# Altium PCB AlpLogo.PcbDoc (continued)
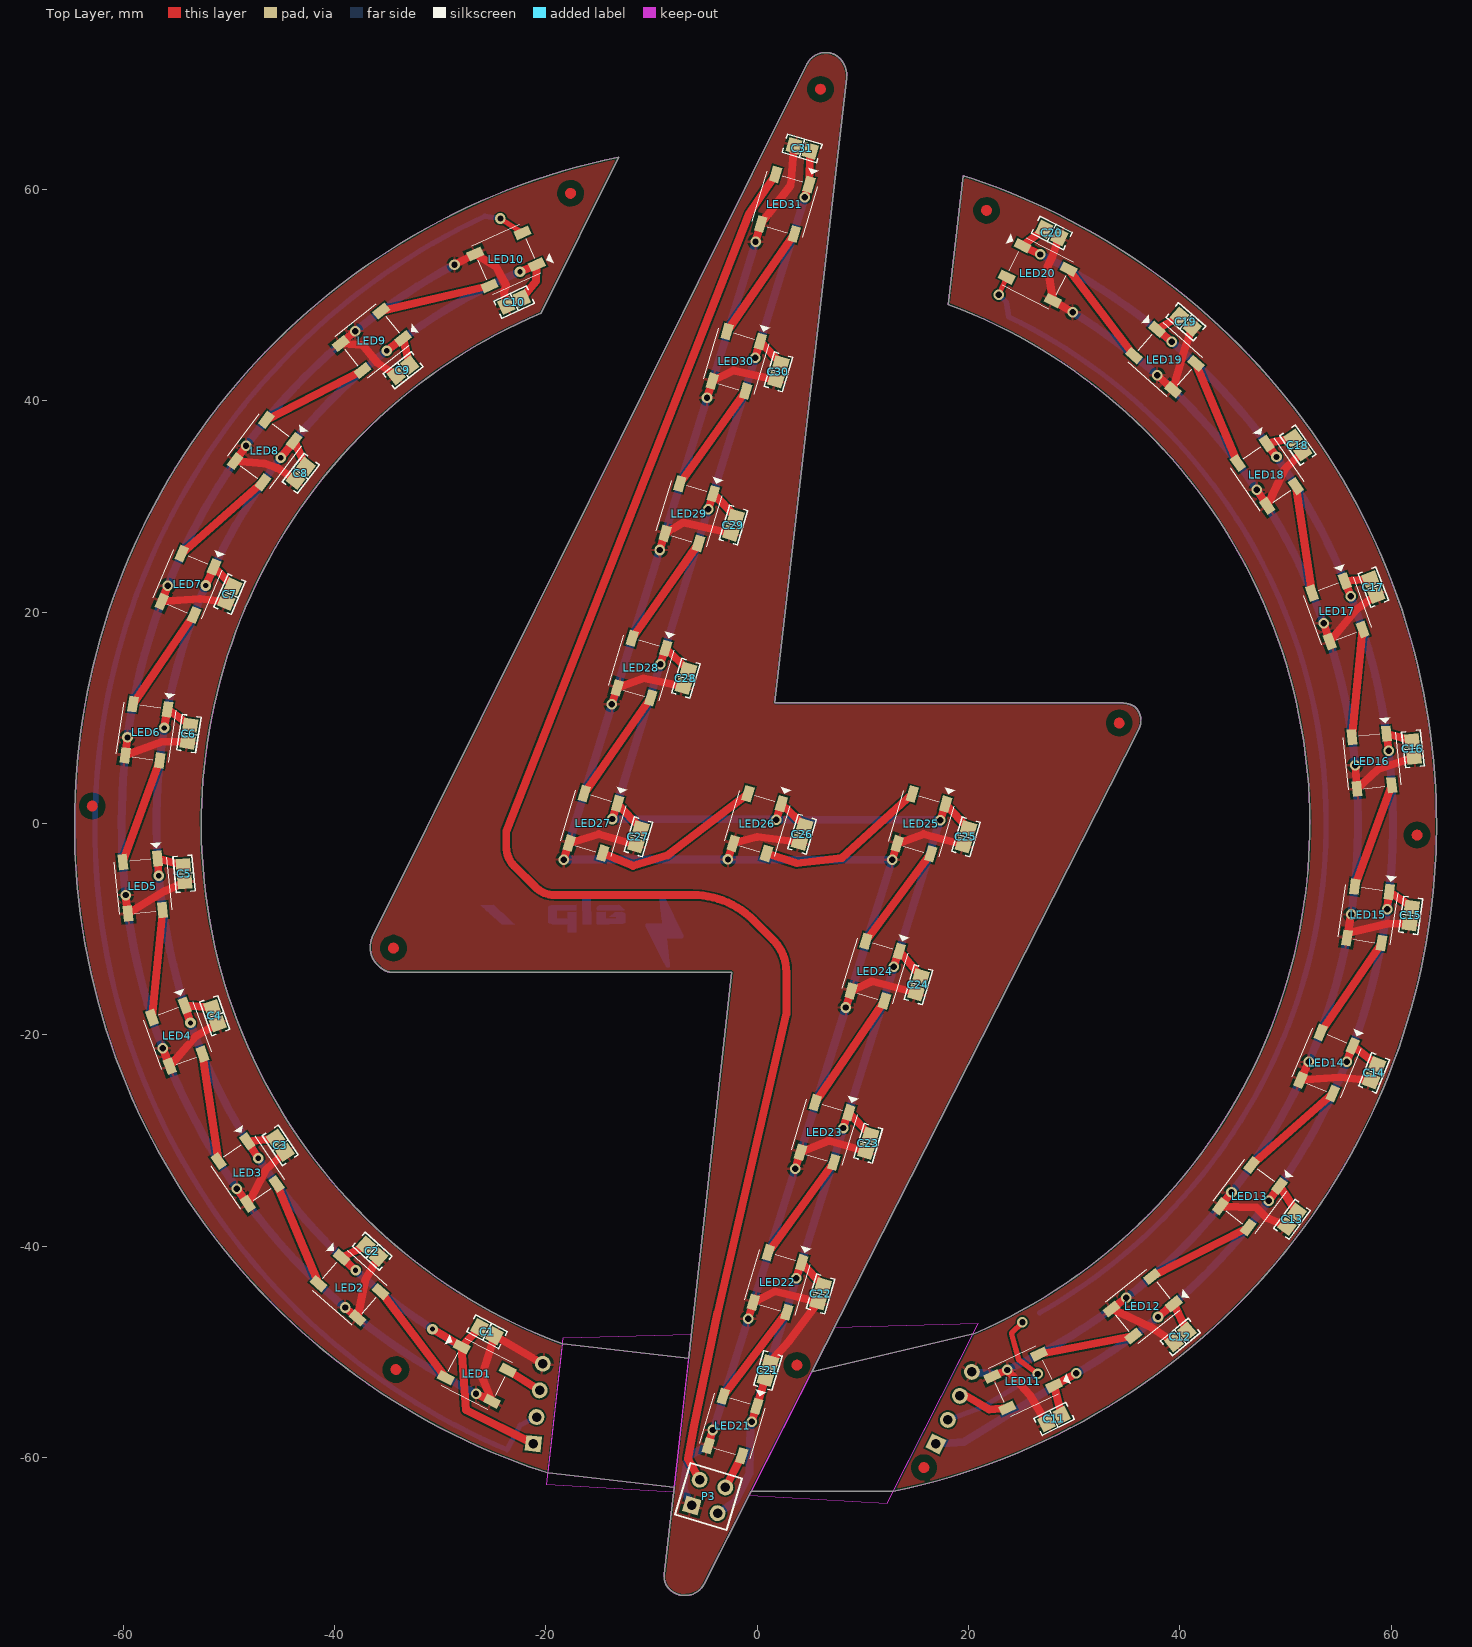
[diagram p0: Top Layer view]
## Keep-outs
Keep-Out Layer:
  lines w0.013: -8.266,-72.486 ccw(c-6.97,-71.099) -8.24,-72.511 ccw(c-6.957,-71.084) -8.213,-72.534 ccw(c-6.944,-71.069) -8.186,-72.557 ccw(c-6.931,-71.054) -8.159,-72.579 -8.133,-72.6 -8.106,-72.621 -8.079,-72.641 -8.053,-72.659 -8.026,-72.678 -7.999,-72.696 -7.972,-72.713 -7.946,-72.729 -7.92,-72.745 -7.893,-72.761 -7.868,-72.775 -7.842,-72.789 -7.816,-72.803 -7.79,-72.816 -7.765,-72.829 -7.739,-72.841 -7.714,-72.853 -7.689,-72.865 -7.663,-72.876 -7.639,-72.886 -7.614,-72.897 -7.589,-72.907 -7.564,-72.916 -7.54,-72.925 -7.515,-72.935 -7.49,-72.943 -7.466,-72.952 -7.442,-72.96 -7.417,-72.967 -7.392,-72.975 -7.382,-72.978 -7.38,-72.979 -7.377,-72.98 -7.374,-72.98 -7.372,-72.981 -7.369,-72.982 -7.366,-72.983 -7.364,-72.983 -7.361,-72.984 -7.358,-72.985 -7.356,-72.986 -7.353,-72.986 -7.35,-72.987 -7.347,-72.988 -7.344,-72.989 -7.342,-72.989 -7.339,-72.99 -7.336,-72.991 -7.333,-72.991 -7.33,-72.992 -7.327,-72.993 -7.324,-72.993 -7.321,-72.994 -7.318,-72.995 -7.315,-72.996 -7.312,-72.996 -7.309,-72.997 -7.306,-72.998 -7.303,-72.998 -7.3,-72.999 -7.297,-73 -7.294,-73 -7.291,-73.001 -7.288,-73.001 -7.284,-73.002 -7.281,-73.003 -7.278,-73.003 -7.275,-73.004 -7.272,-73.005 -7.268,-73.005 -7.265,-73.006 -7.262,-73.006 -7.258,-73.007 -7.255,-73.008 -7.252,-73.008 -7.249,-73.009 -7.246,-73.009 -7.243,-73.01 -7.24,-73.01 -7.238,-73.011 -7.235,-73.011 -7.232,-73.011 -7.229,-73.012 -7.226,-73.012 -7.222,-73.013 -7.219,-73.013 -7.216,-73.014 -7.213,-73.014 -7.21,-73.015 -7.207,-73.015 -7.204,-73.016 -7.201,-73.016 -7.198,-73.017 -7.195,-73.017 -7.191,-73.017 -7.188,-73.018 -7.185,-73.018 -7.182,-73.019 -7.178,-73.019 -7.175,-73.019 -7.172,-73.02 -7.169,-73.02 -7.165,-73.021 -7.162,-73.021 -7.159,-73.022 -7.155,-73.022 -7.152,-73.022 -7.148,-73.023 -7.145,-73.023 -7.142,-73.023 -7.138,-73.024 -7.135,-73.024 -7.131,-73.025 -7.128,-73.025 -7.124,-73.025 -7.121,-73.026 -7.117,-73.026 -7.114,-73.026 -7.11,-73.027 -7.106,-73.027 -7.103,-73.027 -7.099,-73.028 -7.096,-73.028 -7.092,-73.028 -7.088,-73.029 -7.085,-73.029 -7.081,-73.029 -7.077,-73.029 -7.073,-73.03 -7.069,-73.03 -7.065,-73.03 -7.06,-73.031 -7.056,-73.031 -7.051,-73.031 -7.047,-73.032 -7.042,-73.032 -7.037,-73.032 -7.033,-73.033 -7.028,-73.033 -7.024,-73.033 -7.019,-73.033 -7.014,-73.034 -7.01,-73.034 -7.005,-73.034 -7,-73.034 -6.995,-73.035 -6.991,-73.035 -6.986,-73.035 -6.981,-73.035 -6.976,-73.036 -6.971,-73.036 -6.966,-73.036 -6.961,-73.036 -6.956,-73.036 -6.951,-73.037 -6.946,-73.037 -6.941,-73.037 -6.936,-73.037 -6.931,-73.037 -6.926,-73.037 -6.921,-73.038 -6.915,-73.038 -6.91,-73.038 -6.905,-73.038 -6.9,-73.038 -6.894,-73.038 -6.889,-73.038 -6.884,-73.038 -6.878,-73.038 -6.873,-73.039 -6.867,-73.039 -6.862,-73.039 -6.856,-73.039 -6.851,-73.039 -6.845,-73.039 -6.84,-73.039 -6.834,-73.039 -6.829,-73.039 -6.823,-73.039 -6.817,-73.039 -6.812,-73.039 -6.808,-73.039 ccw(c-6.808,-71.033) -6.078,-72.901 ccw(c-6.799,-71.054) -5.156,-72.165 ccw(c-6.834,-71.029) -5.096,-72.071 ccw(c-6.852,-71.018) -5.051,-71.992 ccw(c-6.867,-71.009) -5.026,-71.945 -0.567,-63.176 ; -8.266,-72.486 cw(c-6.983,-71.113) -8.293,-72.461 cw(c-6.997,-71.127) -8.318,-72.436 cw(c-7.01,-71.14) -8.345,-72.409 -8.347,-72.407 -8.353,-72.4 -8.359,-72.393 -8.365,-72.387 -8.371,-72.38 -8.378,-72.373 -8.385,-72.366 -8.392,-72.358 -8.398,-72.35 -8.405,-72.342 -8.412,-72.334 -8.419,-72.327 -8.426,-72.319 -8.432,-72.311 -8.439,-72.303 -8.446,-72.295 -8.452,-72.287 -8.458,-72.279 -8.466,-72.27 -8.473,-72.261 -8.48,-72.251 -8.487,-72.242 -8.494,-72.233 -8.501,-72.224 -8.508,-72.214 -8.516,-72.204 -8.523,-72.193 -8.531,-72.183 -8.538,-72.172 -8.546,-72.16 -8.554,-72.148 -8.562,-72.136 -8.57,-72.123 -8.579,-72.11 -8.588,-72.096 -8.597,-72.08 -8.606,-72.064 -8.616,-72.047 -8.627,-72.027 -8.639,-72.004 cw(c-7.312,-71.316) -8.652,-71.979 cw(c-7.326,-71.323) -8.667,-71.947 cw(c-7.348,-71.333) -8.728,-71.794 cw(c-7.34,-71.33) -8.744,-71.742 cw(c-7.325,-71.326) -8.754,-71.707 cw(c-7.31,-71.322) -8.761,-71.679 -8.767,-71.655 -8.772,-71.632 -8.776,-71.612 -8.78,-71.593 -8.783,-71.575 -8.786,-71.557 -8.789,-71.541 -8.791,-71.525 -8.793,-71.509 -8.795,-71.494 -8.797,-71.479 -8.798,-71.465 -8.8,-71.451 -8.801,-71.438 -8.802,-71.424 -8.803,-71.411 -8.804,-71.398 -8.805,-71.386 -8.806,-71.373 -8.806,-71.36 -8.807,-71.348 -8.807,-71.335 -8.807,-71.323 -8.808,-71.312 -8.808,-71.301 -8.808,-71.289 -8.808,-71.278 cw(c-6.808,-71.274) -8.808,-71.266 -8.808,-71.255 -8.808,-71.243 -8.808,-71.231 -8.807,-71.22 -8.807,-71.208 -8.807,-71.196 -8.806,-71.184 -8.806,-71.174 -8.805,-71.164 -8.805,-71.154 -8.804,-71.143 -8.803,-71.133 -8.803,-71.122 -8.802,-71.112 -8.801,-71.102 -8.8,-71.091 -8.799,-71.08 -8.798,-71.07 -8.797,-71.059 -8.796,-71.049 -8.795,-71.038 -8.794,-71.025 -7.868,-62.787 ; -19.79,-61.448 cw(c-0.29,-0.607) -21.601,-60.838 cw(c-0.179,-0.324) -33.346,-55.286 cw(c0.226,0.336) -50.537,-40.211 cw(c-0.475,-0.134) -64.046,-8.563 cw(c-0.068,-0.107) -64.51,-3.556 cw(c0.606,-0.069) -64.603,-0.066 cw(c0.803,-0.065) -64.588,1.331 cw(c0.303,-0.052) -64.396,5.123 cw(c-0.401,0.008) -63.384,12.447 cw(c-0.755,0.074) -60.534,22.479 cw(c0.128,-0.351) -33.664,54.958 cw(c-0.246,0.327) -13.099,63.066 -20.452,48.296 ccw(c-0.127,0.039) -27.901,44.429 ccw(c0.144,-0.373) -43.125,29.983 ccw(c-0.437,-0.012) -52.051,7.602 ccw(c-0.189,-0.03) -52.525,2.948 ccw(c0.36,-0.063) -52.611,-0.066 ccw(c0.63,-0.066) -52.609,-0.503 ccw(c0.304,-0.071) -52.49,-3.649 -52.443,-4.277 ccw(c-0.538,-0.152) -49.158,-18.788 ccw(c0.065,0.153) -28.328,-44.294 ccw(c-0.152,-0.22) -18.417,-49.237 ; -19.79,-61.448 -18.417,-49.237 ; -19.79,-61.448 -7.868,-62.787 ; -18.417,-49.237 -6.497,-50.576 ; -7.868,-62.787 -6.497,-50.576 ; -6.497,-50.576 -2.395,-14.059 -34.628,-14.059 -34.629,-14.059 -34.645,-14.059 -34.659,-14.058 -34.673,-14.058 -34.685,-14.057 -34.698,-14.056 -34.71,-14.055 -34.721,-14.055 -34.733,-14.053 -34.743,-14.052 -34.754,-14.051 -34.764,-14.05 -34.774,-14.049 -34.784,-14.047 -34.794,-14.046 -34.803,-14.044 -34.812,-14.043 -34.822,-14.041 -34.831,-14.039 -34.84,-14.038 -34.848,-14.036 -34.857,-14.034 -34.866,-14.032 -34.875,-14.03 -34.883,-14.028 -34.891,-14.026 -34.9,-14.024 -34.909,-14.022 -34.917,-14.02 -34.925,-14.018 -34.933,-14.016 -34.941,-14.014 -34.949,-14.011 -34.957,-14.009 -34.965,-14.007 -34.973,-14.005 -34.98,-14.002 -34.988,-14 -34.996,-13.997 -35.004,-13.995 -35.012,-13.992 -35.02,-13.989 -35.027,-13.987 -35.035,-13.984 -35.042,-13.982 -35.05,-13.979 -35.057,-13.976 -35.065,-13.973 -35.072,-13.971 -35.08,-13.968 -35.087,-13.965 -35.095,-13.962 -35.102,-13.959 -35.11,-13.956 -35.118,-13.953 -35.125,-13.949 -35.132,-13.946 -35.14,-13.943 -35.147,-13.94 -35.155,-13.937 -35.157,-13.936 -35.162,-13.934 -35.167,-13.932 -35.172,-13.929 -35.176,-13.927 -35.181,-13.925 -35.186,-13.923 -35.191,-13.921 -35.196,-13.918 -35.201,-13.916 -35.206,-13.914 -35.211,-13.911 -35.216,-13.909 -35.221,-13.906 -35.227,-13.903 -35.233,-13.9 -35.239,-13.897 -35.245,-13.894 -35.251,-13.891 -35.258,-13.887 -35.264,-13.884 -35.27,-13.881 -35.276,-13.878 -35.283,-13.874 -35.289,-13.871 -35.295,-13.867 -35.301,-13.864 -35.308,-13.86 -35.314,-13.857 -35.32,-13.853 -35.327,-13.85 -35.333,-13.846 -35.339,-13.842 -35.345,-13.839 -35.353,-13.834 -35.361,-13.83 -35.368,-13.825 -35.376,-13.82 -35.383,-13.816 -35.391,-13.811 -35.399,-13.806 -35.406,-13.801 -35.414,-13.797 -35.422,-13.792 -35.429,-13.787 -35.437,-13.782 -35.446,-13.776 -35.455,-13.77 -35.464,-13.764 -35.473,-13.758 -35.481,-13.752 -35.49,-13.746 -35.499,-13.739 -35.51,-13.732 -35.52,-13.725 -35.53,-13.718 -35.54,-13.71 -35.552,-13.702 -35.563,-13.693 -35.575,-13.685 -35.586,-13.676 -35.599,-13.666 -35.612,-13.657 -35.626,-13.646 -35.639,-13.635 -35.655,-13.622 -35.67,-13.61 -35.686,-13.596 -35.704,-13.582 -35.724,-13.565 -35.747,-13.545 -35.773,-13.522 -35.805,-13.493 cw(c-33.606,-11.101) -35.963,-13.337 cw(c-33.622,-11.116) -36.008,-13.289 -36.039,-13.254 -36.063,-13.226 -36.084,-13.202 -36.103,-13.179 -36.119,-13.16 -36.134,-13.141 -36.149,-13.123 -36.162,-13.105 -36.175,-13.089 -36.187,-13.073 -36.198,-13.058 -36.209,-13.043 -36.219,-13.03 -36.229,-13.016 -36.239,-13.003 -36.248,-12.989 -36.257,-12.977 -36.265,-12.964 -36.274,-12.952 -36.282,-12.939 -36.29,-12.927 -36.298,-12.916 -36.305,-12.905 -36.312,-12.894 -36.319,-12.883 -36.327,-12.87 -36.328,-12.869 -36.331,-12.863 -36.335,-12.857 -36.338,-12.851 -36.342,-12.845 -36.346,-12.838 -36.35,-12.832 -36.354,-12.825 -36.358,-12.818 -36.362,-12.811 -36.366,-12.803 -36.37,-12.796 -36.374,-12.788 -36.378,-12.78 -36.383,-12.772 -36.387,-12.764 -36.392,-12.755 -36.396,-12.746 -36.401,-12.736 -36.406,-12.726 -36.411,-12.716 -36.416,-12.706 -36.421,-12.695 -36.426,-12.683 -36.432,-12.671 -36.437,-12.659 -36.443,-12.646 -36.449,-12.632 -36.455,-12.617 -36.461,-12.601 -36.468,-12.585 -36.475,-12.567 -36.482,-12.548 -36.49,-12.527 -36.498,-12.504 -36.507,-12.478 -36.516,-12.449 -36.527,-12.414 cw(c-34.431,-11.792) -36.539,-12.372 -36.539,-12.37 -36.542,-12.36 -36.544,-12.351 -36.547,-12.341 -36.549,-12.331 -36.552,-12.322 -36.554,-12.312 -36.557,-12.3 -36.56,-12.289 -36.562,-12.278 -36.565,-12.266 -36.567,-12.254 -36.57,-12.243 -36.572,-12.231 -36.574,-12.219 -36.576,-12.208 -36.579,-12.196 -36.581,-12.183 -36.583,-12.169 -36.586,-12.156 -36.588,-12.142 -36.59,-12.128 -36.592,-12.115 -36.594,-12.099 -36.596,-12.084 -36.598,-12.068 -36.6,-12.053 -36.602,-12.036 -36.604,-12.018 -36.605,-12.001 -36.607,-11.982 -36.609,-11.963 -36.61,-11.942 -36.612,-11.921 -36.613,-11.898 -36.615,-11.874 -36.616,-11.845 -36.617,-11.816 -36.617,-11.78 cw(c-33.836,-11.745) -36.618,-11.736 cw(c-33.791,-11.745) -36.61,-11.542 cw(c-33.807,-11.744) -36.605,-11.476 -36.601,-11.435 -36.597,-11.403 -36.593,-11.374 -36.59,-11.349 -36.586,-11.327 -36.583,-11.307 -36.58,-11.287 -36.577,-11.268 -36.574,-11.252 -36.571,-11.236 -36.568,-11.221 -36.565,-11.206 -36.562,-11.192 -36.559,-11.179 -36.557,-11.166 -36.554,-11.153 -36.551,-11.141 -36.548,-11.13 -36.546,-11.119 -36.543,-11.108 -36.54,-11.097 -36.538,-11.086 -36.535,-11.075 -36.532,-11.066 -36.53,-11.057 -36.527,-11.047 -36.525,-11.038 -36.522,-11.029 -36.52,-11.02 -36.517,-11.011 -36.514,-11.002 -36.512,-10.993 -36.509,-10.985 -36.507,-10.977 -36.504,-10.97 -36.502,-10.963 -36.5,-10.955 -36.497,-10.948 -36.495,-10.941 -36.492,-10.934 -36.49,-10.927 -36.488,-10.92 -36.485,-10.912 -36.483,-10.905 -36.48,-10.898 -36.477,-10.892 -36.475,-10.885 -36.472,-10.878 -36.47,-10.871 -36.467,-10.864 -36.464,-10.857 -36.462,-10.852 -36.46,-10.846 -36.458,-10.841 -36.456,-10.836 -36.453,-10.831 -36.451,-10.825 -36.449,-10.82 -36.447,-10.815 -36.444,-10.81 -36.442,-10.804 -36.44,-10.799 -36.438,-10.794 -36.435,-10.789 -36.433,-10.784 -36.431,-10.779 -36.428,-10.774 -36.426,-10.769 -36.424,-10.764 -36.421,-10.759 -36.419,-10.754 -36.416,-10.748 4.69,71.849 4.706,71.881 cw(c6.532,70.932) 4.762,71.981 cw(c6.514,70.943) 4.845,72.11 cw(c6.496,70.956) 5.033,72.341 cw(c6.484,70.967) 5.596,72.757 cw(c6.475,70.985) 5.843,72.859 cw(c6.468,71.005) 6.019,72.91 cw(c6.464,71.024) 6.17,72.939 cw(c6.461,71.044) 6.313,72.955 cw(c6.459,71.063) 6.459,72.961 6.467,72.961 cw(c6.459,70.882) 6.517,72.96 cw(c6.46,70.915) 6.736,72.942 cw(c6.459,70.904) 6.814,72.93 cw(c6.455,70.883) 6.863,72.921 cw(c6.451,70.863) 6.903,72.913 6.938,72.905 6.968,72.897 6.997,72.89 7.023,72.883 7.048,72.875 cw(c6.588,71.325) 7.095,72.861 cw(c6.585,71.316) 7.178,72.831 cw(c6.578,71.3) 7.234,72.808 cw(c6.572,71.284) 7.279,72.787 cw(c6.565,71.269) 7.317,72.769 cw(c6.557,71.254) 7.351,72.751 cw(c6.549,71.239) 7.382,72.734 cw(c6.54,71.223) 7.411,72.718 cw(c6.531,71.208) 7.438,72.702 7.463,72.686 7.487,72.671 7.51,72.656 7.531,72.641 7.552,72.626 7.572,72.612 7.592,72.597 7.611,72.583 7.629,72.568 7.647,72.554 7.664,72.54 7.681,72.525 7.697,72.511 7.713,72.497 7.729,72.483 7.745,72.468 7.76,72.454 7.775,72.44 7.789,72.426 7.804,72.412 7.818,72.397 7.832,72.382 7.842,72.372 7.854,72.36 7.865,72.347 7.877,72.334 7.888,72.321 7.9,72.308 7.911,72.294 7.923,72.281 7.934,72.267 7.946,72.252 7.958,72.237 7.97,72.221 7.982,72.206 7.994,72.19 8.007,72.172 8.02,72.155 8.033,72.137 8.046,72.117 8.06,72.097 8.074,72.076 8.088,72.054 8.103,72.03 8.118,72.006 8.133,71.98 8.149,71.952 8.167,71.92 8.186,71.884 cw(c5.969,70.713) 8.207,71.844 cw(c5.947,70.702) 8.23,71.797 cw(c5.898,70.679) 8.369,71.443 cw(c5.924,70.687) 8.389,71.374 cw(c5.95,70.694) 8.404,71.321 cw(c5.975,70.701) 8.414,71.277 8.423,71.237 8.431,71.202 8.437,71.168 8.443,71.138 8.448,71.108 8.452,71.08 8.456,71.055 8.459,71.029 8.462,71.005 8.465,70.981 8.467,70.959 8.469,70.938 8.471,70.916 8.472,70.894 8.474,70.874 8.475,70.855 8.476,70.835 8.476,70.815 8.477,70.796 8.477,70.778 8.477,70.761 8.477,70.743 8.477,70.726 8.476,70.708 8.476,70.691 8.475,70.673 8.474,70.656 8.473,70.639 8.472,70.623 8.471,70.608 8.47,70.593 8.469,70.578 8.467,70.563 8.465,70.546 1.665,11.427 34.304,11.427 34.324,11.427 34.355,11.427 34.385,11.426 34.413,11.426 34.44,11.425 34.467,11.424 34.492,11.423 34.517,11.421 34.541,11.42 34.564,11.418 34.585,11.417 34.607,11.415 34.627,11.413 34.647,11.412 34.666,11.41 34.685,11.408 34.703,11.406 34.721,11.404 34.738,11.402 34.756,11.4 34.772,11.398 34.788,11.396 34.804,11.393 34.819,11.391 34.834,11.389 34.849,11.387 34.862,11.385 34.876,11.382 34.89,11.38 34.903,11.378 34.916,11.375 34.929,11.373 34.941,11.371 34.953,11.368 34.965,11.366 34.977,11.364 34.988,11.361 34.999,11.359 35.01,11.357 35.021,11.354 35.032,11.352 35.043,11.349 35.053,11.347 35.062,11.345 35.072,11.343 35.082,11.34 35.091,11.338 35.101,11.335 35.11,11.333 35.119,11.331 35.127,11.329 35.136,11.326 35.144,11.324 35.153,11.322 35.161,11.319 35.169,11.317 35.178,11.314 35.186,11.312 35.194,11.31 35.201,11.307 35.208,11.305 35.216,11.303 35.223,11.301 35.23,11.298 35.237,11.296 35.244,11.294 35.251,11.292 35.258,11.289 35.265,11.287 35.272,11.284 35.28,11.282 35.283,11.281 35.287,11.279 35.292,11.278 35.296,11.276 35.3,11.275 35.304,11.273 35.309,11.271 35.313,11.27 35.317,11.268 35.321,11.267 35.325,11.265 35.329,11.264 35.334,11.262 35.338,11.261 35.342,11.259 35.346,11.258 35.35,11.256 35.354,11.255 35.358,11.253 35.362,11.251 35.366,11.25 35.37,11.248 35.374,11.247 35.378,11.245 35.382,11.244 35.386,11.242 35.39,11.24 35.394,11.239 35.398,11.237 35.402,11.236 35.405,11.234 35.409,11.232 35.413,11.231 35.417,11.229 35.421,11.228 35.425,11.226 35.428,11.224 35.432,11.223 35.436,11.221 35.44,11.22 35.443,11.218 35.447,11.216 35.451,11.215 35.454,11.213 35.458,11.211 35.462,11.21 35.465,11.208 35.47,11.206 35.474,11.204 35.479,11.202 35.483,11.2 35.488,11.198 35.492,11.196 35.497,11.194 35.501,11.191 35.505,11.189 35.51,11.187 35.514,11.185 35.518,11.183 35.523,11.181 35.527,11.179 35.531,11.176 35.535,11.174 35.54,11.172 35.544,11.17 35.548,11.168 35.553,11.165 35.558,11.162 35.563,11.16 35.568,11.157 35.572,11.154 35.577,11.152 35.582,11.149 35.587,11.146 35.592,11.144 35.597,11.14 35.603,11.137 35.608,11.134 35.614,11.131 35.619,11.127 35.624,11.124 35.63,11.12 35.636,11.116 35.642,11.113 35.649,11.108 35.656,11.104 35.663,11.099 35.67,11.094 35.678,11.088 35.687,11.082 35.696,11.076 35.707,11.067 35.72,11.057 cw(c35.091,10.25) 35.782,11.005 cw(c35.086,10.245) 35.799,10.989 35.811,10.977 35.82,10.968 35.828,10.96 35.835,10.953 35.842,10.946 35.848,10.939 35.854,10.933 35.859,10.927 35.864,10.921 35.869,10.916 35.873,10.91 35.878,10.905 35.882,10.9 35.886,10.895 35.89,10.89 35.894,10.886 35.898,10.881 35.901,10.876 35.905,10.872 35.908,10.868 35.911,10.864 35.915,10.859 35.918,10.855 35.921,10.851 35.925,10.846 35.928,10.842 35.931,10.838 35.933,10.834 35.936,10.83 35.939,10.827 35.942,10.823 35.944,10.819 35.947,10.815 35.95,10.811 35.952,10.808 35.955,10.804 35.958,10.8 35.96,10.796 35.963,10.792 35.966,10.788 35.969,10.784 35.971,10.78 35.974,10.776 35.976,10.773 35.978,10.769 35.98,10.766 35.982,10.763 35.984,10.76 35.987,10.756 35.989,10.753 35.991,10.75 35.993,10.746 35.995,10.743 35.997,10.74 35.999,10.736 36.001,10.733 36.003,10.729 36.006,10.725 ; -0.567,-63.176 5.174,-51.887 ; -0.567,-63.176 12.88,-63.176 ; 5.174,-51.887 36.085,8.891 36.09,8.901 36.094,8.909 36.098,8.917 36.102,8.925 36.106,8.933 36.11,8.941 36.114,8.949 36.117,8.957 36.121,8.965 36.125,8.973 36.129,8.981 36.132,8.989 36.136,8.997 36.139,9.005 36.144,9.014 36.148,9.024 36.152,9.033 36.156,9.042 36.16,9.052 36.164,9.061 36.168,9.071 36.172,9.08 36.176,9.089 36.179,9.098 36.183,9.108 36.187,9.117 36.19,9.126 36.194,9.135 36.197,9.145 36.201,9.154 36.204,9.163 36.207,9.172 36.211,9.181 36.214,9.192 36.218,9.203 36.222,9.213 36.225,9.224 36.229,9.234 36.232,9.245 36.235,9.255 36.238,9.266 36.242,9.276 36.245,9.288 36.249,9.3 36.252,9.312 36.255,9.324 36.258,9.336 36.261,9.348 36.265,9.361 36.268,9.374 36.271,9.388 36.274,9.402 36.277,9.417 36.28,9.432 36.283,9.448 36.287,9.465 36.29,9.483 36.293,9.502 36.296,9.522 36.299,9.545 ccw(c34.774,9.737) 36.302,9.572 ccw(c34.789,9.735) 36.305,9.606 ccw(c34.805,9.734) 36.309,9.657 ccw(c34.813,9.733) 36.309,9.807 ccw(c34.789,9.732) 36.307,9.84 ccw(c34.773,9.731) 36.305,9.867 36.302,9.89 36.3,9.91 36.298,9.928 36.296,9.945 36.293,9.963 36.291,9.978 36.288,9.993 36.286,10.007 36.283,10.021 36.281,10.034 36.278,10.047 36.276,10.06 36.273,10.071 36.271,10.083 36.268,10.094 36.265,10.106 36.262,10.117 36.26,10.128 36.257,10.138 36.255,10.148 36.252,10.158 36.249,10.168 36.246,10.178 36.244,10.188 36.241,10.199 36.238,10.209 36.235,10.217 36.232,10.226 36.23,10.235 36.227,10.244 36.224,10.252 36.221,10.261 36.218,10.27 36.215,10.279 36.212,10.288 36.209,10.296 36.206,10.305 36.203,10.314 36.2,10.323 36.197,10.332 36.194,10.341 36.191,10.348 36.188,10.355 36.185,10.363 36.185,10.364 36.174,10.391 36.164,10.416 36.155,10.439 36.145,10.46 36.136,10.481 36.127,10.501 36.118,10.52 36.109,10.538 36.101,10.556 36.092,10.573 36.083,10.59 36.074,10.606 36.066,10.622 36.057,10.638 36.049,10.653 36.04,10.668 36.032,10.683 36.023,10.697 36.014,10.711 36.007,10.724 ; 5.174,-51.887 20.447,-48.293 ; 12.88,-63.176 ccw(c-0.076,-0.463) 33.232,-55.157 ccw(c-0.449,0.217) 60.293,-22.388 ccw(c0.433,-0.206) 63.077,-12.496 ccw(c0.074,-0.14) 64.076,-5.22 ccw(c-0.629,-0.08) 64.265,-1.441 ccw(c-1.126,-0.067) 64.28,-0.066 ccw(c-0.932,-0.063) 64.187,3.423 ccw(c-0.262,-0.026) 63.732,8.361 ccw(c0.147,0.001) 50.056,40.275 ccw(c-0.548,-0.467) 33.036,55.146 ccw(c-0.145,0.192) 21.304,60.697 ccw(c-0.034,0.475) 19.479,61.313 18.076,49.112 cw(c-0.171,0.087) 27.99,44.17 cw(c-0.388,-0.286) 48.83,18.666 cw(c0.215,0.02) 52.119,4.153 52.166,3.526 cw(c-0.625,-0.061) 52.286,0.375 52.287,-0.066 cw(c-0.693,-0.069) 52.201,-3.092 cw(c-0.14,-0.102) 51.734,-7.695 cw(c0.119,-0.121) 42.693,-30.269 cw(c-0.426,0.204) 22.685,-47.27 cw(c-0.143,-0.286) 20.447,-48.293 ; 12.88,-63.176 20.447,-48.293 ; 36.006,10.725 36.007,10.724

## Other copper
Top Layer:
  region: 3.75,-51.75 cw(c3.75,-51.25) 3.25,-51.25 cw(c3.75,-51.25) 3.75,-50.75 cw(c3.75,-51.25) 4.25,-51.25 cw(c3.75,-51.25)
  pour cut-out: 3.75,-52.5 cw(c3.75,-51.25) 2.5,-51.25 cw(c3.75,-51.25) 3.75,-50 cw(c3.75,-51.25) 5,-51.25 cw(c3.75,-51.25)
  region: 5.977,68.987 cw(c5.977,69.487) 5.477,69.487 cw(c5.977,69.487) 5.977,69.987 cw(c5.977,69.487) 6.477,69.487 cw(c5.977,69.487)
  pour cut-out: 5.977,68.237 cw(c5.977,69.487) 4.727,69.487 cw(c5.977,69.487) 5.977,70.737 cw(c5.977,69.487) 7.227,69.487 cw(c5.977,69.487)
  region: 34.25,9 cw(c34.25,9.5) 33.75,9.5 cw(c34.25,9.5) 34.25,10 cw(c34.25,9.5) 34.75,9.5 cw(c34.25,9.5)
  pour cut-out: 34.25,8.25 cw(c34.25,9.5) 33,9.5 cw(c34.25,9.5) 34.25,10.75 cw(c34.25,9.5) 35.5,9.5 cw(c34.25,9.5)
  region: -34.431,-12.292 cw(c-34.431,-11.792) -34.931,-11.792 cw(c-34.431,-11.792) -34.431,-11.292 cw(c-34.431,-11.792) -33.931,-11.792 cw(c-34.431,-11.792)
  pour cut-out: -34.431,-13.042 cw(c-34.431,-11.792) -35.681,-11.792 cw(c-34.431,-11.792) -34.431,-10.542 cw(c-34.431,-11.792) -33.181,-11.792 cw(c-34.431,-11.792)
  region: 62.437,-1.59 cw(c62.437,-1.09) 61.937,-1.09 cw(c62.437,-1.09) 62.437,-0.59 cw(c62.437,-1.09) 62.937,-1.09 cw(c62.437,-1.09)
  pour cut-out: 62.437,-2.34 cw(c62.437,-1.09) 61.187,-1.09 cw(c62.437,-1.09) 62.437,0.16 cw(c62.437,-1.09) 63.687,-1.09 cw(c62.437,-1.09)
  region: 15.761,-61.442 cw(c15.761,-60.942) 15.261,-60.942 cw(c15.761,-60.942) 15.761,-60.442 cw(c15.761,-60.942) 16.261,-60.942 cw(c15.761,-60.942)
  pour cut-out: 15.761,-62.192 cw(c15.761,-60.942) 14.511,-60.942 cw(c15.761,-60.942) 15.761,-59.692 cw(c15.761,-60.942) 17.011,-60.942 cw(c15.761,-60.942)
  region: -62.925,1.148 cw(c-62.925,1.648) -63.425,1.648 cw(c-62.925,1.648) -62.925,2.148 cw(c-62.925,1.648) -62.425,1.648 cw(c-62.925,1.648)
  pour cut-out: -62.925,0.398 cw(c-62.925,1.648) -64.175,1.648 cw(c-62.925,1.648) -62.925,2.898 cw(c-62.925,1.648) -61.675,1.648 cw(c-62.925,1.648)
  region: -34.234,-52.155 cw(c-34.191,-51.657) -34.689,-51.613 cw(c-34.191,-51.657) -34.147,-51.159 cw(c-34.191,-51.657) -33.693,-51.7 cw(c-34.191,-51.657)
  pour cut-out: -34.3,-52.902 cw(c-34.191,-51.657) -35.436,-51.548 cw(c-34.191,-51.657) -34.082,-50.411 cw(c-34.191,-51.657) -32.946,-51.766 cw(c-34.191,-51.657)
  region: -17.643,59.136 cw(c-17.665,59.636) -18.164,59.614 cw(c-17.665,59.636) -17.687,60.135 cw(c-17.665,59.636) -17.165,59.658 cw(c-17.665,59.636)
  pour cut-out: -17.61,58.387 cw(c-17.665,59.636) -18.914,59.581 cw(c-17.665,59.636) -17.719,60.884 cw(c-17.665,59.636) -16.416,59.69 cw(c-17.665,59.636)
  pour cut-out: 21.64,56.775 cw(c21.694,58.024) 20.445,58.079 cw(c21.694,58.024) 21.749,59.273 cw(c21.694,58.024) 22.943,57.969 cw(c21.694,58.024)
  region: 21.672,57.524 cw(c21.694,58.024) 21.195,58.046 cw(c21.694,58.024) 21.716,58.524 cw(c21.694,58.024) 22.194,58.002 cw(c21.694,58.024)
Bottom Layer:
  region: -24.61,-7.996 -24.77,-7.836 -24.828,-7.807 -24.944,-7.691 -26.177,-7.705 -25.931,-7.952 -25.873,-7.981 -25.583,-8.271 -25.525,-8.3 -25.205,-8.619 -25.147,-8.648 -24.857,-8.939 -24.799,-8.968 -24.48,-9.287 -24.422,-9.316 -24.19,-9.548 -22.956,-9.533 -22.971,-9.49 -23.029,-9.461 -23.319,-9.171 -23.377,-9.142 -23.667,-8.852 -23.725,-8.823 -24.045,-8.503 -24.103,-8.474 -24.393,-8.184 -24.451,-8.155 -24.596,-8.01
  region: -17.4,-10.273 -17.124,-10.259 -17.138,-8.358 -17.936,-8.373 -17.951,-9.026 -18.981,-9.011 -18.967,-8.213 -17.124,-8.199 -17.138,-7.691 -19.518,-7.72 -19.721,-7.836 -19.794,-7.908 -19.765,-9.359 -19.721,-9.403 -19.663,-9.432 -19.518,-9.49 -19.402,-9.519 -17.936,-9.533 -17.922,-10.273 -17.429,-10.273
  region: -15.18,-8.083 -15.151,-8.199 -12.583,-8.213 -12.539,-8.17 -12.641,-8.097 -12.786,-7.952 -12.844,-7.923 -13.018,-7.749 -13.076,-7.72 -13.163,-7.691 -14.933,-7.72 -15.136,-7.865 -15.18,-8.025 -15.18,-8.054
  region: -16.326,-9.519 -15.731,-9.504 -15.746,-7.052 -16.544,-7.067 -16.529,-9.519 -16.355,-9.519
  region: -14.004,-9.519 -12.699,-9.49 -12.51,-9.359 -12.481,-9.243 -12.51,-8.518 -12.583,-8.445 -12.728,-8.387 -12.844,-8.358 -13.482,-8.387 -13.54,-8.445 -13.598,-8.474 -13.801,-8.677 -13.859,-8.706 -13.99,-8.837 -13.323,-8.866 -13.337,-9.026 -14.338,-9.011 -14.353,-8.358 -15.165,-8.387 -15.18,-9.475 -15.136,-9.519 -14.033,-9.519
  region: -7.925,-8.692 -8.955,-6.617 -9.1,-6.559 -9.246,-6.646 -9.289,-6.777 -9.246,-7.198 -9.188,-7.72 -9.158,-7.952 -9.1,-8.474 -9.071,-8.706 -9.013,-9.229 -8.999,-9.446 -10.508,-9.475 -10.595,-9.563 -10.566,-9.766 -10.421,-10.027 -8.796,-13.219 -8.622,-13.538 -8.549,-13.61 -8.346,-13.581 -8.302,-13.538 -8.273,-13.422 -8.302,-13.132 -8.331,-13.016 -8.375,-12.566 -8.564,-10.868 -7.113,-10.839 -7.011,-10.767 -6.968,-10.607 -7.911,-8.706

## Silkscreen, mask and mechanical layers (free items; w line width, h text height)
Bottom Overlay:
  drawing of 17 lines, arcs and shapes, not listed
  text "Alican Özpay" at -4.248,17.435 h3
  text "Cevdet Baş" at -7.506,13.266 h3
  text "Ersin Sezer" at -9.75,9.777 h3
  text "RALP1000501A1" at 28.75,8.773 h2.5
  text "Emre Öztoklu" at -9.5,6.277 h3
  text "Mehmet Emin Özdemir" at 30.5,3.277 h3
  text "Alpay Zeren" at -13.498,2.685 h3
  text "Harun Güneş" at -14.75,-1.063 h3
  text "Eyüp Celal Odabaşıoğlu" at 27.75,-1.313 h3
  text "Tunç Şahin" at -19.75,-4.813 h3
  text "Muhammed Emin Boydak" at 25.5,-5.565 h3
  text "Ahmet Zahid Arıcan" at 22.002,-9.973 h3
  text "5V" at -22.549,-50.627 h3 r351.95
  text "GND" at 27.724,-52.271 h3 r336.48
  text "DOUT" at -22.638,-53.314 h3 r351.95
  text "DIN" at 26.498,-54.881 h3 r336.48
  text "DIN" at -23.227,-56.071 h3 r351.95
  text "DOUT" at 26.322,-57.709 h3 r336.48
  text "GND" at -23.253,-58.453 h3 r351.95
  text "5V" at 23.966,-59.266 h3 r336.48
  text "DOUT" at -5.225,-60.009 h3 r250
  text "DIN" at -2.994,-60.502 h3 r250
  text "5V" at -6.057,-68.938 h3 r250
  text "GND" at -8.475,-70.009 h3 r250
Top Solder:
  circle w0.1: c3.75,-51.25 r1
  circle w0.1: c5.977,69.487 r1
  circle w0.1: c34.25,9.5 r1
  circle w0.1: c-34.431,-11.792 r1
  circle w0.1: c62.437,-1.09 r1
  circle w0.1: c15.761,-60.942 r1
  circle w0.1: c-62.925,1.648 r1
  circle w0.1: c-34.191,-51.657 r1
  circle w0.1: c-17.665,59.636 r1
  circle w0.1: c21.694,58.024 r1
  region: 3.75,-52.25 cw(c3.75,-51.25) 2.75,-51.25 cw(c3.75,-51.25) 3.75,-50.25 cw(c3.75,-51.25) 4.75,-51.25 cw(c3.75,-51.25)
  region: 5.977,68.487 cw(c5.977,69.487) 4.977,69.487 cw(c5.977,69.487) 5.977,70.487 cw(c5.977,69.487) 6.977,69.487 cw(c5.977,69.487)
  region: 34.25,8.5 cw(c34.25,9.5) 33.25,9.5 cw(c34.25,9.5) 34.25,10.5 cw(c34.25,9.5) 35.25,9.5 cw(c34.25,9.5)
  region: -34.431,-12.792 cw(c-34.431,-11.792) -35.431,-11.792 cw(c-34.431,-11.792) -34.431,-10.792 cw(c-34.431,-11.792) -33.431,-11.792 cw(c-34.431,-11.792)
  region: 62.437,-2.09 cw(c62.437,-1.09) 61.437,-1.09 cw(c62.437,-1.09) 62.437,-0.09 cw(c62.437,-1.09) 63.437,-1.09 cw(c62.437,-1.09)
  region: 15.761,-61.942 cw(c15.761,-60.942) 14.761,-60.942 cw(c15.761,-60.942) 15.761,-59.942 cw(c15.761,-60.942) 16.761,-60.942 cw(c15.761,-60.942)
  region: -62.925,0.648 cw(c-62.925,1.648) -63.925,1.648 cw(c-62.925,1.648) -62.925,2.648 cw(c-62.925,1.648) -61.925,1.648 cw(c-62.925,1.648)
  region: -34.278,-52.653 cw(c-34.191,-51.657) -35.187,-51.57 cw(c-34.191,-51.657) -34.104,-50.661 cw(c-34.191,-51.657) -33.195,-51.744 cw(c-34.191,-51.657)
  region: -17.621,58.637 cw(c-17.665,59.636) -18.664,59.592 cw(c-17.665,59.636) -17.709,60.635 cw(c-17.665,59.636) -16.666,59.679 cw(c-17.665,59.636)
  region: 21.651,57.025 cw(c21.694,58.024) 20.695,58.068 cw(c21.694,58.024) 21.738,59.023 cw(c21.694,58.024) 22.693,57.98 cw(c21.694,58.024)
Bottom Solder:
  region: -24.61,-7.996 -24.77,-7.836 -24.828,-7.807 -24.944,-7.691 -26.177,-7.705 -25.931,-7.952 -25.873,-7.981 -25.583,-8.271 -25.525,-8.3 -25.205,-8.619 -25.147,-8.648 -24.857,-8.939 -24.799,-8.968 -24.48,-9.287 -24.422,-9.316 -24.19,-9.548 -22.956,-9.533 -22.971,-9.49 -23.029,-9.461 -23.319,-9.171 -23.377,-9.142 -23.667,-8.852 -23.725,-8.823 -24.045,-8.503 -24.103,-8.474 -24.393,-8.184 -24.451,-8.155 -24.596,-8.01
  region: -7.925,-8.692 -8.955,-6.617 -9.1,-6.559 -9.246,-6.646 -9.289,-6.777 -9.246,-7.198 -9.188,-7.72 -9.158,-7.952 -9.1,-8.474 -9.071,-8.706 -9.013,-9.229 -8.999,-9.446 -10.508,-9.475 -10.595,-9.563 -10.566,-9.766 -10.421,-10.027 -8.796,-13.219 -8.622,-13.538 -8.549,-13.61 -8.346,-13.581 -8.302,-13.538 -8.273,-13.422 -8.302,-13.132 -8.331,-13.016 -8.375,-12.566 -8.564,-10.868 -7.113,-10.839 -7.011,-10.767 -6.968,-10.607 -7.911,-8.706
  region: -14.004,-9.519 -12.699,-9.49 -12.51,-9.359 -12.481,-9.243 -12.51,-8.518 -12.583,-8.445 -12.728,-8.387 -12.844,-8.358 -13.482,-8.387 -13.54,-8.445 -13.598,-8.474 -13.801,-8.677 -13.859,-8.706 -13.99,-8.837 -13.323,-8.866 -13.337,-9.026 -14.338,-9.011 -14.353,-8.358 -15.165,-8.387 -15.18,-9.475 -15.136,-9.519 -14.033,-9.519
  region: -16.326,-9.519 -15.731,-9.504 -15.746,-7.052 -16.544,-7.067 -16.529,-9.519 -16.355,-9.519
  region: -15.18,-8.083 -15.151,-8.199 -12.583,-8.213 -12.539,-8.17 -12.641,-8.097 -12.786,-7.952 -12.844,-7.923 -13.018,-7.749 -13.076,-7.72 -13.163,-7.691 -14.933,-7.72 -15.136,-7.865 -15.18,-8.025 -15.18,-8.054
  region: -17.4,-10.273 -17.124,-10.259 -17.138,-8.358 -17.936,-8.373 -17.951,-9.026 -18.981,-9.011 -18.967,-8.213 -17.124,-8.199 -17.138,-7.691 -19.518,-7.72 -19.721,-7.836 -19.794,-7.908 -19.765,-9.359 -19.721,-9.403 -19.663,-9.432 -19.518,-9.49 -19.402,-9.519 -17.936,-9.533 -17.922,-10.273 -17.429,-10.273
Mechanical 1:
  circle w0.013: c0,0 r0.634
  lines w0.013: -7.954,-74.895 10.504,-16.059 15.534,-0.025 0,0 -15.499,0.025 -11.355,13.427 7.617,74.793